# Allegro board LAY-29615_B4.brd (continued)
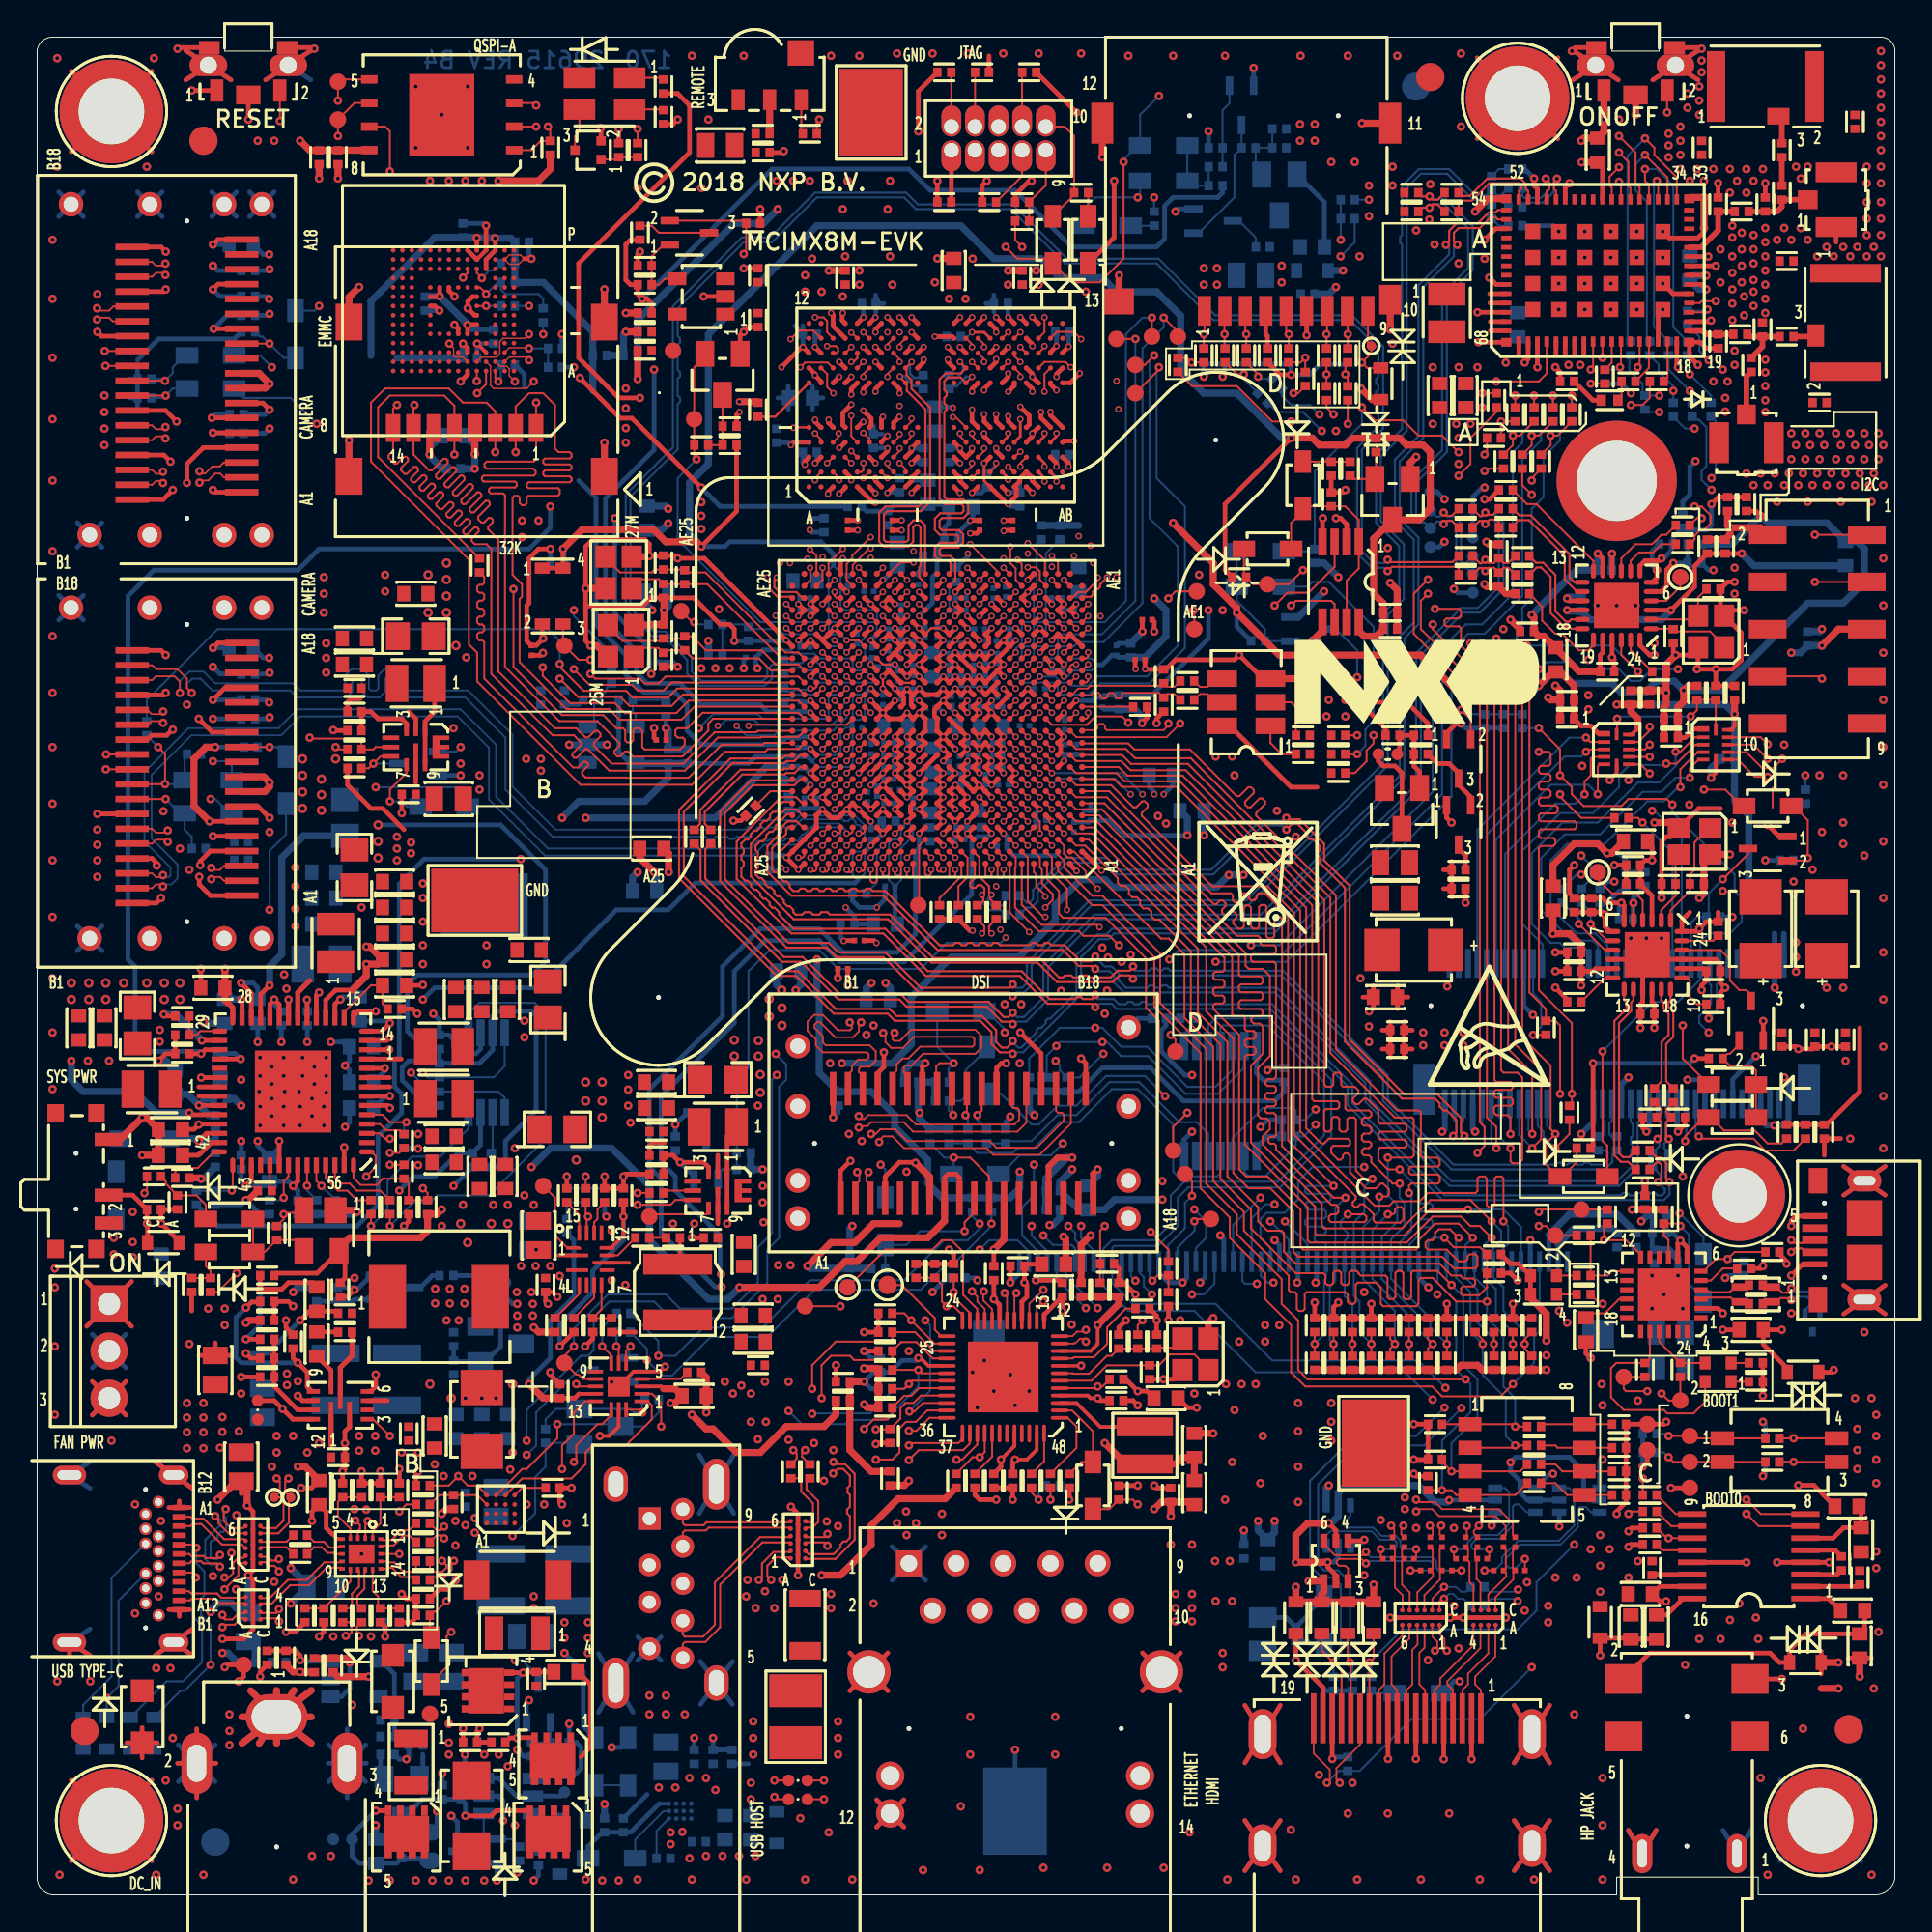
[diagram p0: board, top side]
## Routing (per net, layer and track width the routed paths; a pad name or vN(x,y) marks a point on that pad's centre or on a via; arc(x,y) is an arc through that point)
GND: length 3106.2
  TOP w0.076: 25.41,87.78 25.93,87.78 26.22,88.07 26.02,88.28 25.41,88.28 U601.N2 25.41,87.78
  TOP w0.107: 93.42,58.53 93.42,59.61
  TOP w0.152: v2(50.97,77.07) 50.97,76.12 U201.T1
  TOP w0.203: U907.17 32.11,28.17 U907.5 33.53,28.17 v1(33.79,28.43) ; U1403.6 90.36,60.39 v1(90.11,60.13) ; v1(84.64,60.01) 85.03,60.39 U1402.6 ; U601.C4 24.16,83.03 v1(23.68,83.5)
  TOP w0.229: U601.N5 23.67,88.03 U601.P4
  TOP w0.254: 6.35,12.89 J901.SH2 ; J901.SH2 8.35,12.89 ; J901.SH2 8.35,14.31 ; 71.37,48.32 C1416.2 ; C1416.2 71.93,47.7 ; C1416.2 71.93,48.95 ; v2(55.52,83.34) 55.2,83.02 U201.AB10 ; 29.53,69.38 v1(29.53,70.32) 29.53,72.58 29.91,72.96 32.71,72.96 32.96,72.72 v1(32.96,72.07) 33.7,72.07 C405.2 34.33,72.09 v1(34.48,71.94) 35.91,71.94 v2(40.33,67.53) U101.W25 ; 29.53,69.38 32.6,69.38 33.04,69.82 C404.2 35.34,69.82 36.77,68.39 37.27,68.39 37.53,68.13 v1(37.53,67.5) ; 29.53,69.38 29.53,67.5 v1(29.78,67.25) ; C1220.2 v1(60.64,27.76) 61.15,27.76 Y1201.4 ; v1(52.51,21.27) C1209.2 C1211.2 ; R839.1 74.24,22.54 v1(74.1,22.67) ; v1(94.17,33.97) 94.17,34.1 93.78,34.49 C1705.2 ; SW1702.5 7.62,99.44 v1(7.56,99.38) ; v2(50.72,59.73) U101.G9 v2(51.38,59.08) ; v2(50.72,59.73) U101.H10 ; v2(50.72,59.73) U101.G10 U101.H11 v2(50.07,60.38) U101.J11 v2(50.07,61.03) ; R406.2 50.87,92.02 v1(51.12,92.26) ; J1001.G2 66.92,7.1 ; J1001.G2 65.01,10.2 ; J1001.G2 65.01,7.1 ; J1001.G2 66.92,10.2 ; R912.2 v1(19.49,22.92) ; Q1403.1 75.87,62.53 76.39,63.05 v1(76.64,63.05) ; U702.15 17.03,47.31 17.28,47.56 v1(18.22,47.56) ; 46.16,66.86 45.86,66.56 U101.V17 ; 46.16,66.86 46.5,67.2 U101.W16 ; 46.16,66.86 46.47,66.56 U101.V16 ; U101.AB9 v2(50.72,68.83) ; v2(45.53,67.53) U101.Y17 v2(46.18,67.53) U101.W16 ; U601.G5 23.55,85.03 v1(23.18,85.41) 23.18,85.78 23.43,86.03 U601.J5 ; U201.G3 45.77,77.72 v2(45.77,77.87) ; v1(28,32.19) 28,32.2 27.75,32.45 C773.2 27.37,31.94 v1(27.49,31.81) ; U101.Y23 42.28,67.53 ; 42.28,67.53 U101.W22 ; 42.28,67.53 U101.Y22 v2(42.93,68.18) ; J1001.G1 81.42,10.2 ; J1001.G1 81.42,7.1 ; J1001.G1 79.51,10.2 ; J1001.G1 79.51,7.1 ; C703.2 10.47,29.04 ; C703.2 9.59,29.71 ; C703.2 8.71,29.04 ; U101.A2 55.6,55.46 v2(55.95,55.11) ; J1502.B15 6.8,86.3 v1(6.92,86.42) ; R1427.2 86.43,41.28 v1(86.63,41.08) ; U101.B1 56.28,56.16 v2(57.3,55.14) ; v2(45.53,63.63) U101.N17 U101.N16 v2(46.83,63.63) U101.N15 v2(47.48,63.63) ; v2(45.53,63.63) U101.P18 v2(44.88,64.28) ; v2(45.53,63.63) U101.P17 v2(46.18,64.28) ; v2(45.53,63.63) U101.N18 ; U101.V8 v2(51.37,66.23) U101.U9 v2(50.72,66.23) ; U101.V8 v2(52.02,66.23) U101.U8 ; U101.V8 U101.W7 ; 2.85,12.89 J901.SH4 1.74,12.89 ; v1(29.5,29.53) 29.91,29.93 C788.2 ; v1(27.62,72.45) 26.99,72.45 26.48,71.94 26.48,69.53 26.35,69.4 26.35,67.5 26.59,67.26 C138.2 26.87,67.26 v1(27.24,67.63) 27.19,67.68 Y403.2 ; U101.E20 v2(43.58,58.43) ; v2(43.58,58.43) U101.E21 43.12,57.97 42.73,57.97 U101.E22 v2(42.28,58.43) U101.E23 U101.D23 41.3,56.81 U101.C24 U101.B25 v2(40.33,55.83) v2(40.97,55.18) U101.A24 ; v2(43.58,58.43) U101.F20 v2(44.23,58.43) U101.E19 v2(44.88,57.78) ; v1(82.74,55.43) 82.49,55.18 82.49,53.9 C1402.2 C1401.2 84.27,53.65 84.52,53.4 v1(85.28,53.4) 85.43,53.26 U1401.6 ; v1(7.17,77.15) 6.82,77.51 J1502.B4 ; v1(6.92,64.71) 6.8,64.59 J1503.B15 ; v2(55.92,68.83) U101.AB2 v2(55.92,69.48) ; U201.N4 v2(49.67,77.87) 49.67,77.72 U201.P3 50.32,77.72 v2(50.32,77.87) ; R512.2 60.26,63.32 v1(60.26,63.08) ; v2(47.48,63.63) U101.P14 v2(47.48,64.28) ; v2(47.48,63.63) U101.N14 U101.M14 v2(47.48,62.33) U101.L14 v2(47.48,61.68) ; U201.J12 v2(46.42,84.92) ; v1(87.51,89.54) 87.86,89.19 U1301.30 89.39,89.19 89.72,89.52 v1(89.72,89.72) ; v1(7.51,79.31) 6.91,79.91 J1502.B7 ; v1(83.63,28.89) 83.37,29.15 C1707.2 ; 77.52,94.54 BH1403.1 ; BH1403.1 81.86,94.54 ; BH1403.1 77.52,98.88 ; BH1403.1 81.86,98.88 ; R1226.2 58.23,30.54 v1(58.61,30.92) ; J1001.G3 81.42,4 ; J1001.G3 79.51,1.31 ; J1001.G3 79.51,4 ; J1001.G3 81.42,1.31 ; U101.Y7 v2(52.02,67.53) ; v2(52.02,67.53) U101.W7 ; v2(52.02,67.53) U101.W8 ; U201.D9 v2(43.17,82.52) ; U101.T14 v2(47.48,65.58) U101.U15 v2(46.83,65.58) U101.U16 ; v1(45.58,45.35) 45.58,44.56 45.25,44.23 J1501.B4 ; SW1702.3 v1(11.37,95.57) ; SW1702.7 10.44,97.7 ; SW1702.7 8,97.7 ; SW1702.7 8,99.28 ; U1302.6 86.94,70.65 87.19,70.91 v1(87.19,71.31) ; v1(93.15,57.59) 93.77,56.97 Q1405.1 ; U101.E14 v2(47.48,58.43) U101.F14 ; U201.N9 49.02,82.52 v2(49.02,82.64) ; v1(96.71,28.26) 96.58,28.13 TVS1701.1 ; U101.AE21 43.25,71.83 v2(43.37,71.94) ; U201.A10 v2(41.22,83.32) 41.15,83.32 v2(40.07,82.23) ; 6.35,23.31 J901.SH1 8.35,21.89 ; v1(7.3,62.72) 7.28,62.72 6.97,62.42 6.16,62.42 5.93,62.19 J1503.B12 ; C36.2 v2(44.17,73.46) ; v1(9.97,13.78) 11.11,13.78 11.62,14.29 U903.B1 U903.B2 11.62,16.95 v1(11.37,17.21) 11.62,17.46 U902.B1 U902.B2 U902.B3 11.62,20.64 v1(11.3,20.95) ; U1701.2 90.48,31.57 v1(90.74,31.3) ; v1(82.49,92.14) 82.26,91.91 U1301.47 ; v1(52.92,46.42) 54.05,45.29 J1501.B15 ; R1616.2 v1(31.3,95.06) ; U101.U8 v2(52.02,65.58) ; U101.U8 U101.T9 v2(50.72,65.58) U101.T10 v2(50.07,65.58) U101.T11 v2(49.42,65.58) U101.T12 v2(48.77,65.58) U101.T13 ; 2.97,25.83 J802.3 ; J802.3 4.78,27.64 ; J802.3 4.78,25.83 ; J802.3 2.97,27.64 ; U101.J13 v2(48.77,60.38) U101.H13 v2(48.78,59.73) U101.G13 v2(48.78,59.08) U101.F13 v2(48.77,58.43) U101.E13 v2(48.77,57.78) U101.D13 ; C1203.2 v1(43,28.51) ; v2(49.42,69.48) U101.AB11 v2(49.42,68.83) ; U201.C1 42.57,75.52 v2(42.57,75.42) ; U101.N12 U101.M11 v2(50.07,62.33) U101.L11 v2(50.07,61.68) U101.K11 ; 72.41,46.54 C1414.2 ; C1414.2 72.84,47 ; C1414.2 72.84,46.09 ; C177.2 50.57,73.29 v2(50.23,73.29) ; Y1301.2 91.1,69.15 v1(91.88,69.15) ; Y1301.2 91.73,67.93 91.73,66.46 91.25,65.98 v1(90.36,65.98) ; Y1301.2 90.61,69.06 C1324.2 90.99,70.67 v1(91.38,70.67) ; U1301.21 90.05,84.69 v1(90.11,84.75) ; v1(62.42,26.22) 61.93,26.22 C1206.2 ; J902.2 8.59,8.94 ; J902.2 8.59,5.23 ; J902.2 9.62,7.08 ; J902.2 7.56,7.08 ; 86.97,97.7 SW1701.6 ; SW1701.6 89.41,99.28 ; SW1701.6 89.41,97.7 ; 2.67,33.02 J802.1 ; J802.1 5.08,33.02 ; J802.1 2.67,30.61 ; J802.1 5.08,30.61 ; R503.2 59.75,63.35 v1(59.47,63.08) ; 72.84,45.07 C1412.2 ; C1412.2 72.84,45.99 ; C1412.2 72.41,45.53 ; v1(30.54,38.67) C793.2 C774.1 v1(31.56,38.67) 31.69,38.8 R711.2 ; U1302.10 v1(84.78,72.19) ; U101.AC19 44.55,69.81 v2(44.88,69.48) U101.AB18 ; J1503.B18 6.67,66.99 v1(6.92,66.74) ; U101.W16 v2(46.83,67.53) U101.W15 ; v1(40.58,20.89) 40.96,20.51 U908.B3 U908.B2 U908.B1 v1(40.96,17.21) ; R501.2 37.88,57.82 v1(37.48,57.82) ; v2(42.73,85.15) 42.85,85.04 U201.C12 42.85,84.44 U201.D11 ; U101.L17 v2(45.53,61.68) ; U201.W4 53.57,78.52 v2(53.57,78.67) U201.Y5 ; v2(43.82,80.76) 43.82,81.07 U201.E8 ; v1(70.42,75.63) 70.29,75.49 R842.2 C803.2 ; C916.1 27.62,28 v1(27.62,28.13) ; U101.W1 U101.Y2 v2(55.27,67.53) U101.Y3 v2(54.62,67.53) ; U101.AA21 v2(42.93,68.18) ; v2(42.93,68.18) U101.Y21 ; C902.2 21.65,16.45 22.03,16.45 v1(22.54,16.95) ; v2(47.72,82.64) 47.72,82.52 U201.K9 ; U101.W14 v2(47.48,67.53) U101.Y15 ; 82.67,99.28 SW1701.7 ; SW1701.7 82.67,97.7 ; SW1701.7 85.11,97.7 ; U101.V23 v2(41.63,66.23) ; J1503.B4 6.18,55.79 6.44,55.53 v1(6.44,55.41) ; U201.V5 52.27,79.32 v2(52.27,79.59) ; J1001.5 v1(75.72,7.3) ; v1(59.12,32.32) 58.49,32.95 C1205.2 58.23,33.71 R1216.2 ; v1(85.66,19.57) 85.84,19.75 R1108.2 ; v1(14.03,26.86) 14.03,26.86 14.29,26.6 U701.10 ; U101.AD11 v2(49.42,70.13) ; 97.24,32.82 J1701.S1 ; J1701.S1 99.48,31.27 ; J1701.S1 97.24,31.27 ; J1701.S1 99.48,32.82 ; R1328.1 78.17,75.12 v1(77.91,75.12) ; J1503.A15 10.12,64.99 v1(9.46,64.32) ; J1701.5 94.68,36.54 94.42,36.29 v1(94.42,36) ; v1(15.94,62.7) 15.96,62.67 R753.2 ; J1501.A1 43.25,38.98 v1(43.78,39.51) ; v2(45.53,79.56) 45.45,79.48 U201.G5 ; v1(28.26,21.02) 28.12,21.15 C913.2 v1(28.76,21.91) ; U201.W9 53.57,81.87 v2(53.57,81.72) U201.Y8 ; R910.2 18.73,14.42 v1(18.73,13.91) ; U1601.2 v1(35.88,86.04) ; U702.32 v1(10.96,44.99) ; BH1401.1 6.17,1.83 ; BH1401.1 6.17,6.17 ; BH1401.1 1.83,6.17 ; BH1401.1 1.83,1.83 ; v1(89.39,82.36) 88.94,82.82 U1301.19 89.52,83.58 89.85,83.25 L1302.2 ; v1(87.45,53.66) C1430.2 87.45,56.7 87.7,56.96 87.92,56.96 Y1401.2 89.45,58.48 90.61,58.48 ; D706.A 7.64,35.18 v1(6.69,36.14) 6.66,36.16 C798.2 6.67,36.9 C721.2 ; v1(42.85,41.85) J1501.B1 ; v1(88.33,82.23) 88.26,82.3 U1301.18 ; U1401.25 87.44,50.61 87.69,50.36 U1401.21 90.35,50.36 90.61,50.11 C1422.2 90.61,49.09 v1(90.87,48.83) 90.61,48.57 R1412.1 ; U1401.25 86.04,50.61 85.79,50.36 U1401.10 ; U1401.25 86.68,49.97 86.43,49.72 U1401.15 86.43,48.07 86.3,47.95 C1425.2 v1(86.3,46.67) ; J1501.B7 47.65,44.6 v1(47.81,44.77) ; U101.F10 50.55,58.61 50.55,58.25 U101.E10 50.08,57.78 v2(50.07,57.78) ; v1(8.72,54.8) 8.72,54.39 9.33,53.79 J1503.A1 ; U201.Y1 53.57,76.12 v2(53.57,76.27) U201.W2 52.89,76.24 52.89,76.09 U201.V1 52.72,75.67 52.72,75.31 v2(52.27,74.87) 52.22,74.87 U201.T1 ; U101.AD7 52.03,70.78 v2(52.02,70.78) ; J1503.B7 v1(3.24,58.19) ; J1502.A12 v1(9.5,84.3) ; U201.K11 v2(47.07,84.12) ; v1(87.51,86.74) 88.06,86.19 U1301.24 ; J1001.2 v1(77.21,7.3) ; v2(46.83,68.83) U101.AA16 v2(46.18,68.83) ; U1301.16 87.26,85.09 v1(87.51,85.34) ; U1302.15 82.49,69.65 v1(82.36,69.79) ; U101.H8 51.38,59.73 v2(51.37,59.73) U101.H9 ; C1201.2 52.39,32.96 v1(52.39,32.96) ; v1(86.42,23.05) 86.68,23.3 TP1704.1 ; 96.2,39.81 C1410.2 97.08,40.71 ; U201.C5 42.61,79.23 v2(42.61,79.41) ; 87.15,3.48 J1101.4 85.65,3.48 ; U101.T3 v2(54.62,64.93) U101.T4 ; v1(70.04,31.89) 69.79,31.64 R831.1 ; U101.W11 v2(50.07,67.53) U101.W10 ; J1502.A4 8.94,77.91 8.06,77.02 v1(8.06,76.01) ; v1(13.4,30.92) 13.4,30.54 C711.2 ; v2(54.55,79.82) 54.55,79.65 U201.AB5 ; U101.C8 v2(51.37,56.48) ; v1(67.5,81.83) 66.9,81.83 C1605.2 ; Q1605.2 v1(30.35,95.12) ; v1(8.7,63.31) 9.42,62.59 J1503.A12 ; R833.1 R834.1 ; R834.1 v1(79.44,31.81) ; R834.1 R836.1 R837.1 R825.1 ; C777.2 20,36.26 v1(19.75,36) ; U101.C10 50.4,56.81 v2(50.07,57.13) 50.08,57.13 U101.D10 ; C1212.2 60.27,21.9 v1(60.13,22.03) ; U701.2 16.82,25.2 16.57,24.95 v1(16.57,24.31) C704.2 16.57,22.92 v1(16.45,22.8) R911.2 ; U101.N3 v2(55.27,63.63) ; Q1404.1 75.87,57.99 v1(76.14,57.72) ; U1302.21 v1(84.78,66.61) 84.89,66.49 C1318.2 ; v2(56.12,81.9) 55.61,81.39 U201.AB8 ; J1701.S2 99.48,39.22 ; J1701.S2 97.24,39.22 ; J1701.S2 97.24,37.67 ; J1701.S2 99.48,37.67 ; v1(9.46,67.12) 9.73,67.39 J1503.A18 ; U802.4 69.19,74.08 v1(69.22,74.1) ; v1(7.3,75.63) 6.78,75.11 J1502.B1 ; v1(44.51,30.29) R1220.2 C1219.2 ; U201.K2 v2(47.07,76.27) 47.07,76.12 U201.J1 ; v1(82.61,99.25) 82.8,99.44 SW1701.5 ; U101.J3 v2(55.27,61.03) ; v2(37.81,79.82) 37.65,79.66 C407.2 ; U201.V8 52.6,81.24 v2(52.27,80.92) ; J1001.G4 66.92,1.31 ; J1001.G4 66.92,4 ; J1001.G4 65.01,4 ; J1001.G4 65.01,1.31 ; v2(45.12,74.94) 45,74.94 U201.E1 ; R831.1 R832.1 v1(68.77,31.89) ; R831.1 R830.1 R829.1 ; D908.A 6.46,8.19 ; D908.A 5.65,9 ; D908.A 4.84,8.19 ; D908.A 5.65,7.37 ; v2(53.57,83.37) 53.57,83.47 U201.W11 ; U601.P4 v1(24.17,89.85) ; U201.P1 49.67,76.12 v2(49.67,76.27) U201.N2 ; U201.G10 v2(45.12,83.32) ; v2(44.47,79.29) 44.45,79.29 U201.E5 ; J901.A1 8.21,20.85 ; J901.A1 7.65,21.21 ; J901.A1 7.09,20.85 ; Q1401.1 v1(92.91,47.04) ; 45.19,3.65 J1201.12 ; J1201.12 46.65,5.12 ; J1201.12 46.65,3.65 ; J1201.12 45.19,5.12 ; C1601.2 v1(38.04,87.56) ; C33.2 33.86,62.79 v1(33.84,62.8) ; v1(49.08,34.73) 49.34,34.48 C1217.2 C1218.2 R1221.2 ; v1(81.72,48.84) 82.37,48.2 R1411.1 ; v1(69.91,74.1) 70.17,74.1 70.49,73.78 U802.2 ; U101.J17 v2(45.53,60.38) U101.H18 v2(44.88,59.73) ; v2(50.07,63.63) U101.P11 v2(50.07,64.28) ; v2(40.98,69.48) U101.AB24 v2(40.98,68.83) ; C35.2 v2(46.53,73.46) ; R1218.2 v1(44.51,29.27) ; U601.P6 U601.N5 ; v1(6.92,88.45) 6.67,88.7 J1502.B18 ; v1(12.51,57.97) 11.9,58.59 J1503.A7 ; C137.2 v2(59.64,65.99) 59.66,65.97 R513.2 60.77,65.97 61.28,66.48 64.45,66.48 v1(64.71,66.74) 65.98,65.47 Y501.3 ; U601.A6 23.17,81.84 v1(22.8,81.47) ; R825.1 v1(75.88,31.81) ; R825.1 R826.1 R827.1 R828.1 R829.1 ; U101.AD9 v2(50.72,70.13) ; v2(43.42,51.35) 43.45,51.37 C121.2 ; v1(21.65,85.28) 21.4,85.53 U601.H10 ; J1502.B12 3.47,83.91 v1(3.24,84.14) ; C719.2 v1(19.63,58.23) ; v2(55.52,76.89) 55.52,77.07 U201.AB3 ; v1(20.76,48.98) 20.74,48.96 C747.2 ; v1(6.67,53.66) 6.67,53.64 6.41,53.39 J1503.B1 ; J1502.A15 9.74,86.7 v1(9.46,86.42) ; v2(52.03,73.42) 52.07,73.46 C160.2 ; BH1402.1 6.17,93.83 ; BH1402.1 1.83,93.83 ; BH1402.1 6.17,98.17 ; BH1402.1 1.83,98.17 ; C901.2 14.78,21.91 v1(14.21,21.91) ; R1219.2 45.2,24.33 v1(45.15,24.27) ; v2(52.02,60.38) U101.J8 v2(52.02,61.03) U101.K8 v2(52.02,61.68) U101.L8 v2(52.02,62.33) U101.M8 ; U401.1 37.84,83.94 v1(38.04,84.14) 38.3,84.4 C1602.2 ; v1(40.19,93.87) 40.12,93.79 C1609.2 ; v1(53.53,92.26) 53.4,92.26 52.65,91.51 R407.2 ; v1(81.72,50.74) C1403.2 C1423.2 v1(81.72,49.72) ; v1(18.99,46.93) 18.55,46.49 U702.14 ; C776.2 v1(35.24,35.37) ; U201.T3 v2(50.97,77.07) ; Q1001.4 71.38,19.06 v1(71.44,19.11) ; v2(45.53,59.73) U101.G17 U101.F16 v2(46.18,58.43) U101.E16 ; v2(45.53,59.73) U101.H17 ; v2(45.53,59.73) U101.G18 ; U101.K23 v2(41.63,61.68) ; 12.3,97.7 SW1702.6 14.74,99.28 ; v1(17.08,32.57) 16.71,32.2 C720.2 ; v1(90.36,65.98) v1(89.34,65.98) 89.41,66.04 Y1301.4 88.99,66.74 v1(88.2,66.74) 88.07,66.86 C1323.2 ; v1(90.36,65.98) R1451.2 C1437.2 ; R408.2 51.24,98.99 ; L1304.2 v1(90.49,92.14) ; R829.1 v1(71.82,31.81) ; J1502.A7 12.15,80.3 v1(12.51,79.95) ; 88.96,52.89 88.54,52.47 U1401.24 89.32,51.86 v1(89.47,52.01) 89.85,52.38 R1405.1 90.49,52.89 ; v1(32.45,88.45) 32.33,88.33 R1604.2 ; v2(47.48,60.38) U101.J14 U101.K13 ; v1(77.91,89.09) 78.51,89.69 U1301.56 ; 10.11,21.66 C701.2 10.98,21.6 ; U1301.62 78.54,86.69 v1(78.17,87.06) ; v1(22.47,86.04) 22.17,86.34 U601.K8 ; U101.G24 v2(41.63,59.73) ; v2(47.07,83.32) U201.J10 ; v2(50.35,51.9) 50.21,51.9 R506.2 R504.2 ; C402.2 v1(34.48,66.11) ; R717.2 8.32,31.43 ; U101.AA5 v2(53.97,68.83) ; U201.J3 47.07,77.72 v2(47.07,77.87) U201.K4 ; U101.AD16 v2(46.18,70.13) ; U1301.28 v1(89.95,88.19) ; SW1701.4 89.54,99.44 v1(89.6,99.38) ; v2(45.12,76.27) 45.12,76.12 U201.G1 ; U101.M17 v2(45.53,62.33) ; v2(43.82,76.16) 43.82,76.27 U201.D2 ; v2(51.62,84.12) 51.62,84.27 U201.T12 ; R747.2 v1(28.51,38.67) ; U702.48 v1(13.03,40.58) ; v2(49.67,83.32) U201.P10 ; v2(50.97,80.99) 50.97,81.07 U201.T8 ; 96.04,13.12 TVS1103.1 96.04,11.9 ; U201.A3 41.33,77.17 v2(41.33,76.99) ; v2(45.12,80.92) 45.12,81.07 U201.G8 ; v2(50.97,79.69) 50.97,79.32 U201.T5 ; v1(74.1,23.43) R838.1 R835.1 v1(74.1,25.34) ; C754.2 v1(8.81,49.85) ; 98.73,12.75 C1102.2 97.48,12.75 ; J1502.A1 9.58,75.51 v1(9.46,75.63) ; C1221.2 v1(60.26,30.92) 60.26,31.17 R1211.2 ; v1(53.76,33.08) 55.05,33.08 C1214.2 ; C122.2 v1(43.1,49.35) ; v1(88.33,41.08) 88.7,41.46 R1428.2 ; C1327.2 81.98,81.97 v1(81.72,82.23) ; v1(93.66,17.9) U1101.4 v1(96.46,17.9) ; U101.Y13 v2(48.77,67.53) U101.W13 ; v1(47.28,39.41) 47.26,39.43 46.42,39.43 45.65,38.66 J1501.A4 ; U101.P8 U101.R7 v2(52.03,64.93) ; C1411.2 v1(96.58,45.66) C1413.2 95.56,45.53 v1(94.8,45.53) 94.67,45.66 C1415.2 ; U1301.65 v1(77.53,85.19) ; J1501.B12 51.65,44.51 51.9,44.77 v1(52.16,44.77) ; v2(45.12,84.12) 45.12,84.27 U201.G12 ; v2(44.23,60.38) U101.J19 v2(44.88,61.03) U101.K18 ; J1001.17 v1(69.71,7.32) ; U101.D15 v2(46.83,57.13) 47.15,56.81 U101.C15 ; U101.W7 v2(52.67,67.53) ; v1(8.78,55.43) 8.78,55.64 9.33,56.19 J1503.A4 ; R840.1 79.31,33.46 v1(79.69,33.08) ; v2(44.88,60.38) U101.J18 v2(45.53,61.03) U101.K17 ; U1302.24 86.28,67.27 86.8,66.74 v1(87.06,66.74) ; U101.AC4 v2(54.62,69.48) ; U101.P23 v2(41.63,64.28) ; U1301.27 v1(90.36,87.69) ; U201.T10 v2(51.62,83.32) ; v1(59.5,68.01) 59.49,68.02 C117.2 ; U201.C8 v2(43.17,81.72) ; v1(13.4,14.16) 13.9,14.16 R909.2 ; v2(43.17,77.89) 43.2,77.89 U201.D4 ; v1(79.06,14.92) U1002.B1 U1002.B2 v1(76.77,14.92) v1(76.06,14.92) U1001.B1 U1001.B2 U1001.B3 v1(72.83,14.92) ; R1605.2 v1(38.92,90.74) ; 7.09,15.35 J901.A12 ; J901.A12 8.21,15.35 ; J901.A12 7.65,14.99 ; U101.C13 v2(48.77,56.48) ; U101.Y24 v2(40.98,67.53) ; C1424.2 C1426.2 v1(84.9,55.43) ; U101.J12 v2(49.42,60.38) U101.H12 ; v1(14.92,99.38) 14.86,99.44 SW1702.4 ; U1101.13 v1(92.01,17.9) ; v1(59.24,26.35) 58.99,26.61 C1207.2 ; U101.Y4 v2(53.97,68.18) U101.Y5 ; U101.W9 51.23,67.39 51.23,67.68 U101.Y9 v2(51.37,68.18) ; U201.Y12 53.9,84.6 v2(53.57,84.93) ; U201.N11 49.26,83.88 v2(48.32,83.88) ; U101.AE5 v2(53.33,70.78) ; J1601.6 v1(68.34,83.96) ; U101.P6 v2(53.32,64.28) ; U101.AC22 v2(42.28,69.48) ; J1501.B18 56.45,44.77 v1(56.2,45.02) ; U101.AD13 v2(48.77,70.78) ; v1(9.46,88.84) 9.73,89.1 J1502.A18 ; TP1713.1 v1(87.95,21.91) ; U101.Y11 v2(49.42,67.53) U101.W12 ; U101.E4 v2(54.62,57.78) ; U601.E7 22.66,84.31 v1(22.46,84.52) ; SW1702.1 v1(8.32,97.13) ; U1301.50 80.76,91.83 80.58,92.01 v1(80.58,92.39) ; U101.V4 v2(54.62,66.23) ; U101.U18 v2(44.88,66.23) ; J1001.8 v1(74.21,7.32) ; v2(44.88,68.18) 44.87,68.18 U101.Y19 ; R709.2 v1(10.98,27.88) ; C1213.2 v1(51.5,34.73) ; C1440.2 v1(76.89,53.41) ; U1301.68 v1(77.59,83.58) ; U201.V12 v2(52.27,84.92) ; v1(26.61,88.07) 26.22,88.07 ; L1305.2 v1(93.03,92.14) ; v1(6.54,44.89) 6.92,45.27 C768.2 C770.2 ; J1001.11 v1(72.71,7.32) ; J1302.2 96.84,88.96 ; U201.E12 v2(44.47,84.92) ; U1301.3 v1(80.76,82.23) ; U201.P12 v2(50.32,84.92)
  TOP w0.33: J1501.A15 54.45,39.21 54.93,39.69 v1(55.71,39.69) ; J1501.A18 56.85,38.81 v1(57.09,39.05)
  TOP w0.381: J1601.10 v1(72.84,84.26) ; v1(68.45,16.88) Q1001.1 69.26,16.3 69.15,16.19 TVS1003.1 ; v1(14.03,23.05) 14.43,23.05 C901.2 ; U1301.53 78.09,91.3 v1(77.41,90.61) ; C763.1 8.78,38.59 v1(8.83,38.54) ; Y1201.2 63.04,30.79 v1(63.31,31.05) ; SW1701.3 v1(86.04,95.82) ; v1(21.78,20.51) 22.04,20.77 R925.2 ; 96.04,11.11 v1(96.96,11.11) ; C1315.2 90.99,73.72 v1(91.12,73.6) ; v1(91.12,56) Y1401.4 89.72,55.66 C1429.2 89.72,53.9 v1(89.47,53.66) ; v1(29.78,67.25) 30.14,67.25 Y401.4 ; v1(67.75,16.57) TVS1002.1 TVS1003.1 ; v1(32.96,72.07) 32.92,72.03 Y402.2 ; J1501.A12 52.05,35.28 v1(51.5,34.73) ; C914.1 36.02,27.85 C915.2 v1(36.02,25.97) ; C211.2 v1(48.46,88.09) ; U801.1 73.91,77.09 v1(74.23,77.41) ; C17.2 32.43,55.83 v1(33.21,55.05) ; v1(91.12,73.6) 92.77,73.6 J801.2 ; v1(91.12,73.6) 91.12,73.21 C1321.2 C1322.2 ; v1(68.26,65.54) 68.19,65.47 Y501.3 ; v1(44.51,26.4) 44.69,26.22 R1217.2 R1213.2 R1214.2 45.2,28.34 v1(44.51,28.34) ; v1(83.12,94.42) 83.26,94.57 C1326.1 84.34,94.9 v1(84.34,95.57) SW1701.1 ; v1(89.72,89.72) v1(89.72,91.38) 89.01,91.38 U1301.34 ; v1(29.53,70.32) 29.54,70.33 Y402.4 ; C1432.2 81.47,64.32 v1(81.34,64.45) ; C1432.2 81.98,64.83 v1(81.72,65.09) ; C1432.2 C1431.2 ; TVS1601.1 71.86,80.49 v1(71.26,81.09) ; v1(5.65,39.81) C759.2 C757.2 5.89,41.85 v1(5.65,41.85) 4.47,40.67 SW701.1 ; v1(77.91,70.55) 78.03,70.43 R1341.2 79.06,70.04 R1329.1 ; v1(47.28,39.41) 48.05,38.64 J1501.A7 ; C1317.2 79.83,68.13 v1(79.31,68.64) ; R1340.2 78.15,72.7 v1(78.02,72.83) ; TVS1103.1 v1(96.96,12.51) ; C404.2 33.74,69.79 v1(33.74,69.15) 33.74,68.41 C403.2 33.08,68.38 33.04,68.35 Y401.2 ; v1(11.3,20.95) 11.3,21.95 C701.2 10.71,22.27 v1(9.71,21.27) ; R720.1 11.37,37.4 v1(11.24,37.4) ; R904.2 13.4,12.38 13.78,12 v1(14.16,12) 14.18,11.98 R939.2 ; v1(87.69,64.71) 87.57,64.83 C1434.2 C1433.2 ; v1(87.69,64.71) 87.69,64.83 87.69,64.83 R1330.1 87.69,66.22 v1(88.2,66.74) ; v1(87.69,64.71) 87.69,64.07 87.57,63.95 C1435.2 C1436.2 ; J601.S1 v1(30.53,78.17) ; Y1401.2 88.05,57.72 v1(87.06,57.72) ; v1(72.83,70.62) 73.21,70.25 C802.2 C801.2 ; J601.S3 16.78,86 v1(17.33,86.55) ; C614.2 v1(15.18,92.39) ; C213.2 v1(52.26,87.43) ; TVS1003.1 TVS1004.1 TVS1005.1 v1(71.94,16.7) ; v1(11.24,30.8) 11.37,30.92 R707.2 ; C1604.2 v1(31.69,85.15) ; C1603.2 v1(31.69,84.14) ; v1(21.13,77.53) 21.13,78.73 J601.P6 ; C613.2 v1(16.19,92.39) ; J1601.12 v1(57.34,93.54) ; C1102.2 v1(98.11,11.75) ; v1(17.21,36.77) 17.12,36.85 U704.1 ; C208.2 v1(42.61,87.43) ; J1601.13 v1(58.24,87.18) ; C1703.2 v1(86.55,38.42) ; C1208.2 v1(63.31,24.84) ; J1601.11 v1(71.31,95.37) ; v1(30.53,86.42) J601.S4 ; J601.S2 v1(16.78,78.29)
  L2_GND_1 w0.102: 55.44,96.65 55.44,91.47
  L2_GND_1 w0.254: J1503.T2 10.73,52.15 ; J1503.T2 9.4,52.15 ; J1503.T2 10.73,50.83 ; J1503.T2 9.4,50.83 ; J1501.T3 41.61,43.11 ; J1501.T3 40.29,43.11 ; J1501.T3 40.29,41.79 ; J1501.T3 41.61,41.79 ; J901.SH3 2.85,21.89 ; J901.SH3 0.63,23.31 ; J901.SH3 2.85,23.31 ; J901.SH3 0.63,21.89 ; J1201.1 47.61,18.53 ; J1201.1 47.61,17.15 ; J1201.1 46.24,17.15 ; J1201.1 46.24,18.53 ; 30.22,9.83 J903.S2 ; J903.S2 30.22,12.98 ; J903.S2 32.07,9.83 ; J903.S2 32.07,12.98 ; 30.28,23.26 J903.S1 ; J903.S1 30.28,20.95 ; J903.S1 32.01,23.26 ; J903.S1 32.01,20.95 ; J1502.T7 6.73,91.67 ; J1502.T7 5.4,90.34 ; J1502.T7 6.73,90.34 ; J1502.T7 5.4,91.67 ; 49.74,92.57 J401.3 51.22,92.57 ; SW1702.6 14.74,99.28 ; SW1702.6 14.74,97.7 ; SW1702.6 12.3,97.7 ; 90.75,3.48 J1101.1 92.25,3.48 ; SW1701.7 85.11,97.7 ; SW1701.7 82.67,99.28 ; SW1701.7 82.67,97.7 ; J1001.G1 81.42,7.1 ; J1001.G1 79.51,7.1 ; J1001.G1 81.42,10.2 ; J1001.G1 79.51,10.2 ; 65.01,7.1 J1001.G2 ; J1001.G2 66.92,7.1 ; J1001.G2 66.92,10.2 ; J1001.G2 65.01,10.2 ; J1001.G3 81.42,1.31 ; J1001.G3 79.51,4 ; J1001.G3 79.51,1.31 ; J1001.G3 81.42,4 ; BH1401.1 6.17,1.83 ; BH1401.1 1.83,1.83 ; BH1401.1 1.83,6.17 ; BH1401.1 6.17,6.17 ; J1502.T1 12.76,73.87 ; J1502.T1 11.43,73.87 ; J1502.T1 11.43,72.54 ; J1502.T1 12.76,72.54 ; J1502.T3 6.73,73.87 ; J1502.T3 5.4,73.87 ; J1502.T3 5.4,72.54 ; J1502.T3 6.73,72.54 ; 82.64,73.73 BH1406.1 ; BH1406.1 87.41,78.5 ; BH1406.1 87.41,73.73 ; BH1406.1 82.64,78.5 ; J1503.T4 3.49,52.15 ; J1503.T4 3.49,50.83 ; J1503.T4 2.16,52.15 ; J1503.T4 2.16,50.83 ; 2.97,30.91 J802.1 ; J802.1 2.97,32.72 ; J802.1 4.78,30.91 ; J802.1 4.78,32.72 ; 35.7,10.25 J903.S4 ; J903.S4 37.43,10.25 ; J903.S4 37.43,12.56 ; J903.S4 35.7,12.56 ; J802.3 4.78,25.83 ; J802.3 4.78,27.64 ; J802.3 2.97,27.64 ; J802.3 2.97,25.83 ; BH1405.1 93.57,35.72 ; BH1405.1 93.57,39.59 ; BH1405.1 89.69,35.72 ; BH1405.1 89.69,39.59 ; J1503.T7 6.73,68.63 ; J1503.T7 6.73,69.95 ; J1503.T7 5.4,69.95 ; J1503.T7 5.4,68.63 ; 40.29,35.76 J1501.T1 ; J1501.T1 40.29,37.08 ; J1501.T1 41.61,37.08 ; J1501.T1 41.61,35.76 ; J1503.T3 6.73,50.83 ; J1503.T3 5.4,52.15 ; J1503.T3 5.4,50.83 ; J1503.T3 6.73,52.15 ; 97.24,31.27 J1701.S1 ; J1701.S1 99.48,32.82 ; J1701.S1 99.48,31.27 ; J1701.S1 97.24,32.82 ; 6.35,23.31 J901.SH1 ; J901.SH1 8.35,23.31 ; J901.SH1 8.35,21.89 ; J1501.T6 59.41,39.11 ; J1501.T6 58.08,37.79 ; J1501.T6 59.41,37.79 ; J1501.T6 58.08,39.11 ; 35.64,23.68 J903.S3 ; J903.S3 37.49,23.68 ; J903.S3 37.49,20.53 ; J903.S3 35.64,20.53 ; 7.56,7.08 J902.2 ; J902.2 9.62,7.08 ; J902.2 8.59,8.94 ; J902.2 8.59,5.23 ; J1503.T6 10.73,68.63 ; J1503.T6 10.73,69.95 ; J1503.T6 9.4,68.63 ; J1503.T6 9.4,69.95 ; J1502.T6 10.73,91.67 ; J1502.T6 10.73,90.34 ; J1502.T6 9.4,91.67 ; J1502.T6 9.4,90.34 ; J903.7 35.38,17.38 ; J903.7 34.13,17.38 ; J903.7 34.13,16.13 ; J903.7 35.38,16.13 ; 87.15,3.48 J1101.4 85.65,3.48 ; J1502.T2 10.73,72.54 ; J1502.T2 9.4,72.54 ; J1502.T2 9.4,73.87 ; J1502.T2 10.73,73.87 ; 45.19,3.65 J1201.12 ; J1201.12 46.65,5.12 ; J1201.12 46.65,3.65 ; J1201.12 45.19,5.12 ; 40.29,37.79 J1501.T2 ; J1501.T2 41.61,39.11 ; J1501.T2 40.29,39.11 ; J1501.T2 41.61,37.79 ; J903.4 33.58,12.63 ; J903.4 32.33,13.88 ; J903.4 33.58,13.88 ; J903.4 32.33,12.63 ; 11.43,69.95 J1503.T5 ; J1503.T5 11.43,68.63 ; J1503.T5 12.76,68.63 ; J1503.T5 12.76,69.95 ; J1001.G4 66.92,4 ; J1001.G4 65.01,4 ; J1001.G4 65.01,1.31 ; J1001.G4 66.92,1.31 ; 77.52,98.88 BH1403.1 ; BH1403.1 77.52,94.54 ; BH1403.1 81.86,98.88 ; BH1403.1 81.86,94.54 ; J901.SH4 2.85,14.31 ; J901.SH4 0.63,12.89 ; J901.SH4 2.85,12.89 ; J901.SH4 0.63,14.31 ; J1501.T7 59.41,43.11 ; J1501.T7 58.08,43.11 ; J1501.T7 58.08,41.79 ; J1501.T7 59.41,41.79 ; SW1701.6 89.41,97.7 ; SW1701.6 86.97,97.7 ; SW1701.6 89.41,99.28 ; J1503.T8 2.49,68.63 ; J1503.T8 1.16,68.63 ; J1503.T8 2.49,69.95 ; J1503.T8 1.16,69.95 ; BH1402.1 6.17,93.83 ; BH1402.1 6.17,98.17 ; BH1402.1 1.83,98.17 ; BH1402.1 1.83,93.83 ; 58.08,46.03 J1501.T8 ; J1501.T8 59.41,47.35 ; J1501.T8 59.41,46.03 ; J1501.T8 58.08,47.35 ; 52.49,92.57 J401.5 51.01,92.57 ; 2.16,72.54 J1502.T4 ; J1502.T4 3.49,73.87 ; J1502.T4 3.49,72.54 ; J1502.T4 2.16,73.87 ; 8,97.7 SW1702.7 ; SW1702.7 8,99.28 ; SW1702.7 10.44,97.7 ; BH1404.1 98.17,6.17 ; BH1404.1 98.17,1.83 ; BH1404.1 93.83,1.83 ; BH1404.1 93.83,6.17 ; 97.24,39.22 J1701.S2 ; J1701.S2 99.48,39.22 ; J1701.S2 99.48,37.67 ; J1701.S2 97.24,37.67 ; J901.SH2 8.35,14.31 ; J901.SH2 6.35,12.89 ; J901.SH2 8.35,12.89 ; 16.69,5.23 J902.3 ; J902.3 16.69,8.94 ; J902.3 15.66,7.08 ; J902.3 17.72,7.08 ; J1503.T1 12.76,52.15 ; J1503.T1 11.43,52.15 ; J1503.T1 12.76,50.83 ; J1503.T1 11.43,50.83 ; J1501.T4 41.61,46.35 ; J1501.T4 40.29,45.03 ; J1501.T4 41.61,45.03 ; 1.16,90.34 J1502.T8 ; J1502.T8 2.49,90.34 ; J1502.T8 1.16,91.67 ; J1502.T8 2.49,91.67 ; J1501.T5 59.41,37.08 ; J1501.T5 59.41,35.76 ; J1501.T5 58.08,35.76 ; J1501.T5 58.08,37.08 ; J1502.T5 12.76,90.34 ; J1502.T5 11.43,91.67 ; J1502.T5 12.76,91.67 ; J1502.T5 11.43,90.34